# Altium PCB ESP8266_GSM_switch.PcbDoc
Units mm, origin at the board's own origin, x right, y up, seen from the top; angles counter-clockwise.
Board outline 97.31 x 61.65 mm, 2 copper layers (Top Layer, Bottom Layer); 30 components, 23 nets, 82 pads, 24 vias.
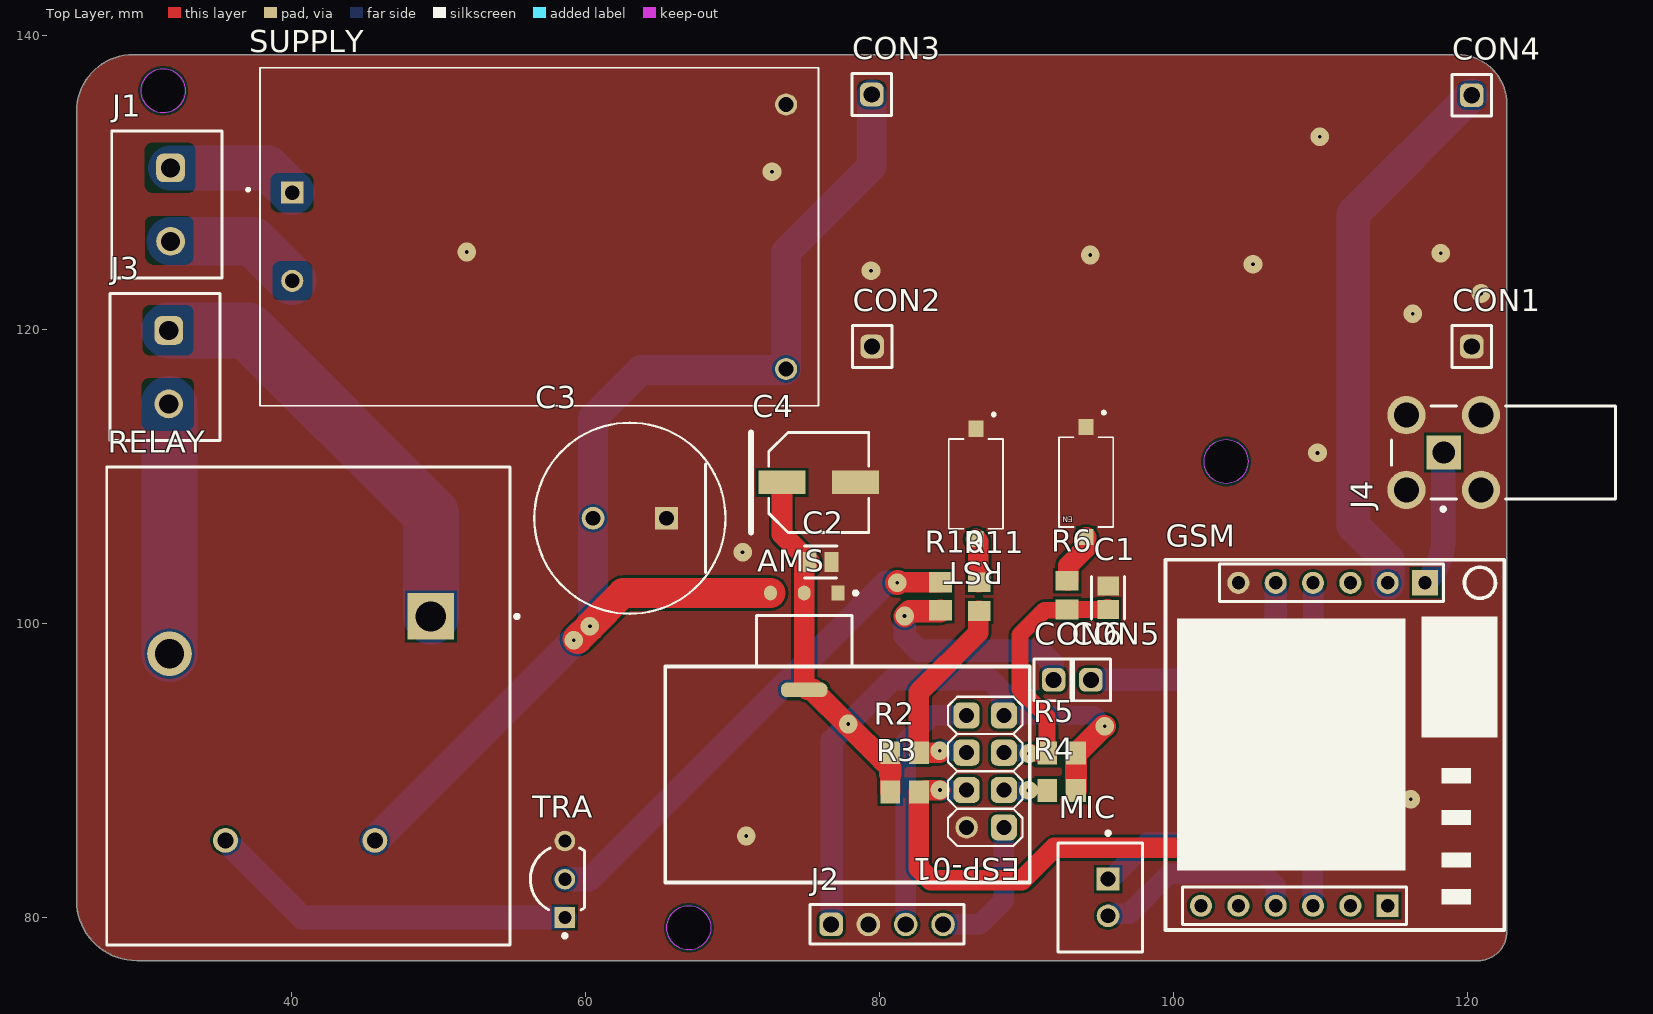
[diagram p0: Top Layer view]
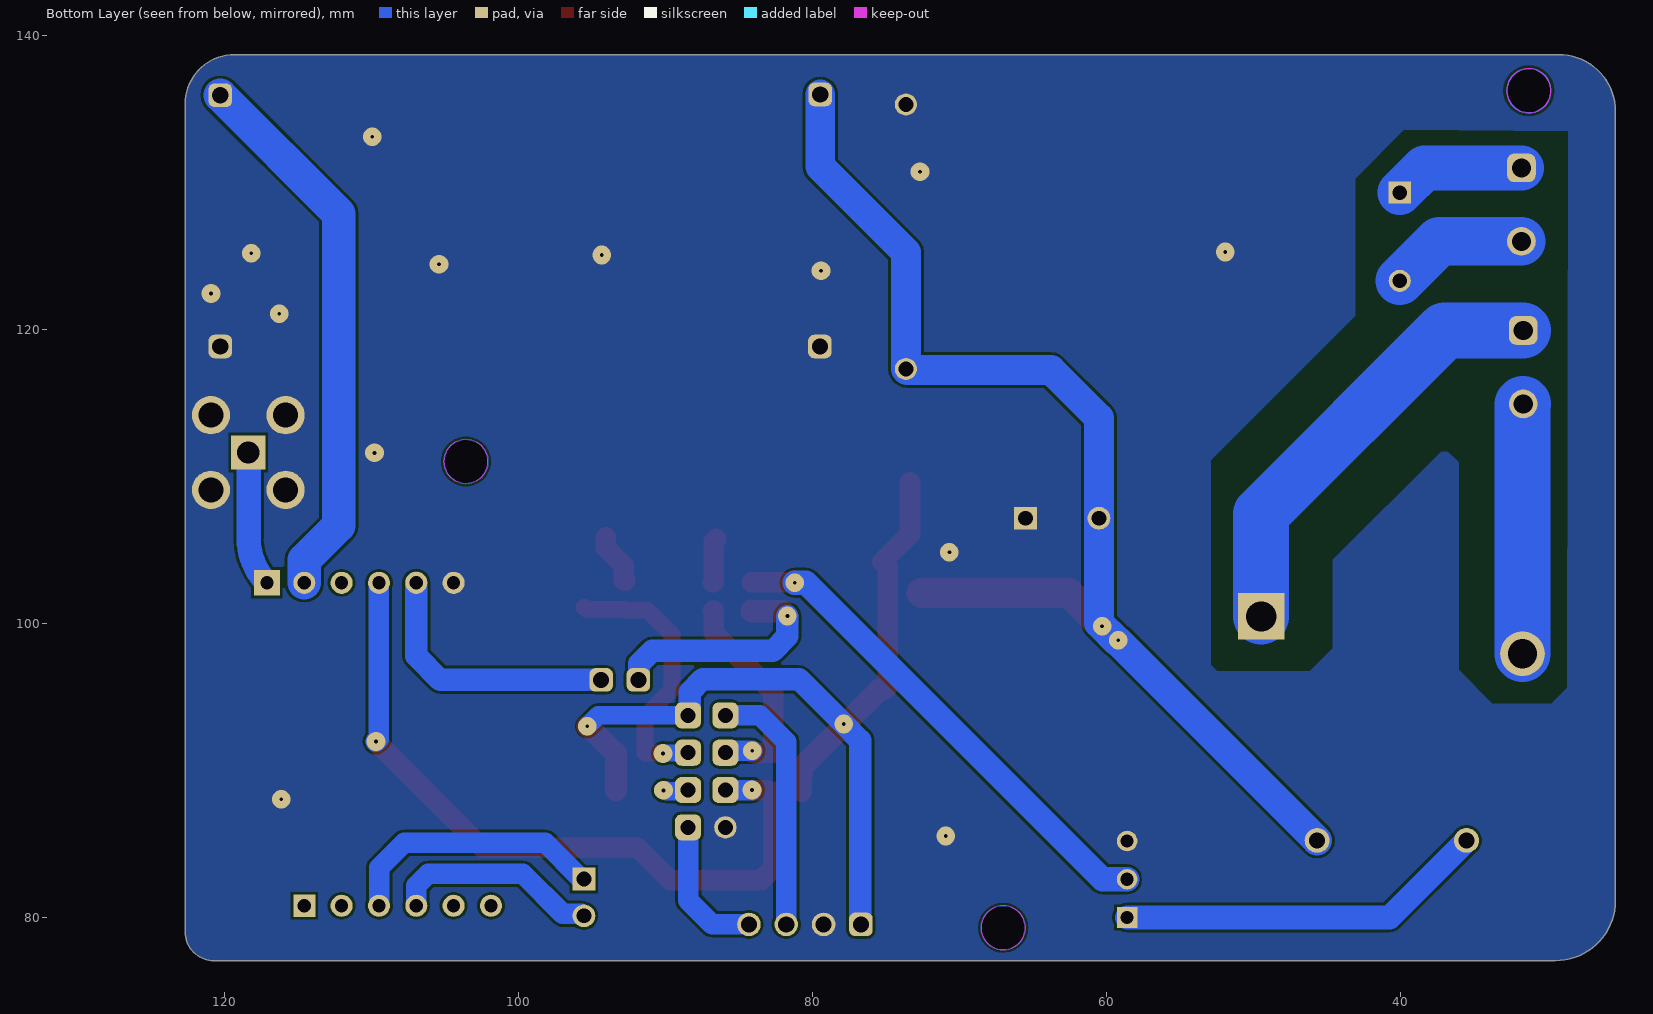
[diagram p1: Bottom Layer view, seen from below]
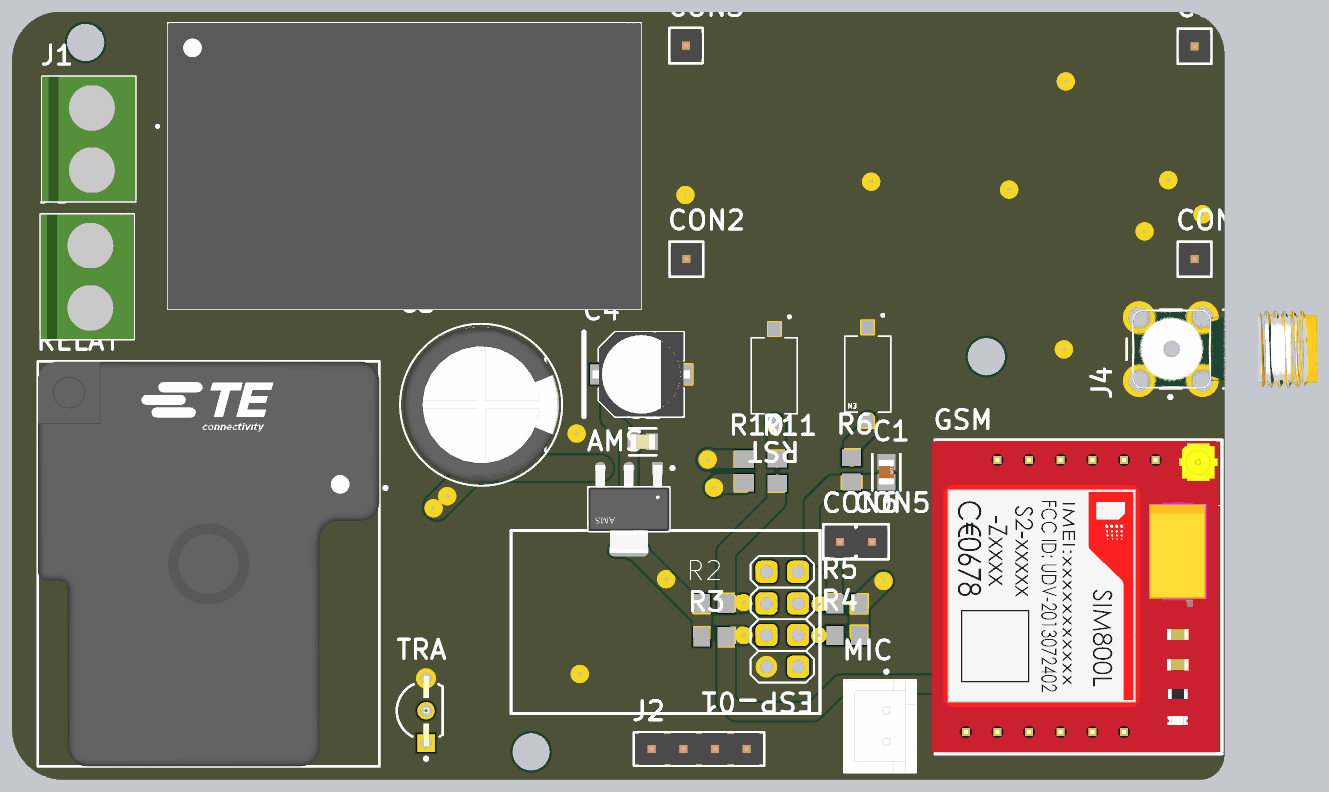
[diagram p2: 3D render of the assembled board from above, using the file's embedded part models]

## Layer stack, top to bottom
Top Solder: solder mask 0.0102, Solder Resist, Dk 3.5
Top Layer: signal copper 0.0356
Dielectric 1: dielectric 0.32, FR-4, Dk 4.8
Bottom Layer: signal copper 0.0356
Bottom Solder: solder mask 0.0102, Solder Resist, Dk 3.5

## Board outline
29.489,77.038 120.752,77.038 ccw(c120.752,78.994) 122.707,78.994 122.707,135.331 ccw(c119.355,135.331) 119.355,138.684 29.261,138.684 ccw(c29.261,134.823) 25.4,134.823 25.4,81.128 ccw(c29.489,81.128)
cut-out: 67.056,77.773 cw(c67.056,79.273) 65.556,79.273 cw(c67.056,79.273) 67.056,80.773 cw(c67.056,79.273) 68.556,79.273 cw(c67.056,79.273)
cut-out: 31.293,134.72 cw(c31.293,136.22) 29.793,136.22 cw(c31.293,136.22) 31.293,137.72 cw(c31.293,136.22) 32.793,136.22 cw(c31.293,136.22)
cut-out: 103.607,109.498 cw(c103.607,110.998) 102.107,110.998 cw(c103.607,110.998) 103.607,112.498 cw(c103.607,110.998) 105.107,110.998 cw(c103.607,110.998)

## Design rules (kind name [scope] priority, off if disabled: settings)
Clearance Clearance_1 [OnMid vs OnMid] p1: gap=0.178 ignorepadtopadclearanceinfootprint=FALSE sourcerule=37 cellrowname=All cellrowtype=0 cellcolname=All cellcoltype=0 innerlayers=TRUE
Clearance Clearance_2 [(ExistsOnLayer('Top Layer') Or ExistsOnLayer('Bottom Layer')) vs (ExistsOnLayer('Top Layer') Or ExistsOnLayer('Bottom Layer'))] p2: gap=0.178 ignorepadtopadclearanceinfootprint=FALSE sourcerule=37 cellrowname=All cellrowtype=0 cellcolname=All cellcoltype=0 outerlayers=TRUE
Clearance [All] p3: gap=0.254 ignorepadtopadclearanceinfootprint=FALSE ismatrix=TRUE
ComponentClearance ComponentClearance_1 [All] p1: gap=0.051 collisioncheckmode=3 verticalgap=0.003 showdistances=TRUE
PolygonConnect [All] p1: connectstyle=Direct reliefconductorwidth=0.254 reliefentries=4 polygonreliefangle="90 Angle" airgapwidth=0.254
RoutingVias [All] p1: holewidth=0.711 width=1.27 viastyle="Through Hole" minholewidth=0.711 minwidth=1.27 maxholewidth=0.711 maxwidth=1.27
SolderMaskExpansion [All] p1: expansion=0.102 istentingtop=FALSE
Width MaxMinWidth_1 [All] p1: maxlimit=5.08 minlimit=0.254 preferedwidth=1.27 minimp=50.000000 maximp=50.000000 favimp=50.000000
Width [All] p2: maxlimit=0.254 minlimit=0.254 preferedwidth=0.254
29 further rules are at their usual default settings.

## Components (designator, comment, footprint, x,y, rotation, side; value= is the part's Value field where it differs from the comment)
AMS "AMS1117-3.3" FP-AMS1117-IPC_C 74.905,98.755 r270 top
C1 "100nF" FP-0805-L_2_01_0_2-W_1_25-IPC_B 95.58,101.727 r90 top
C2 "10uF" FP-C0805C-DG-MFG 76.022,104.165 r0 top
C3 "3300uF" FP-RAD-TH-D_12_5_0_5-L_40-MFG 63.043,107.137 r180 top
C4 "100uF" PNSC-FK-V-D8_V 75.895,109.576 r0 top
CON1 "GNDin" 61300111121 120.32,118.821 r90 top
CON2 "GNDout" 61300111121 79.527,118.821 r90 top
CON3 "5V" 61300111121 79.502,135.966 r90 top
CON4 "4.1V" 61300111121 120.32,135.915 r90 top
CON5 "IO4" 61300111121 94.412,96.139 r90 top
CON6 "IO5" 61300111121 91.872,96.139 r90 top
EN "TS09-63-25-WT-160-SMT-TR" SW_TS09-63-25-WT-160-SMT-TR 94.082,109.601 r270 top
ESP-01 "ESP-01" ESP-01 87.224,89.916 r270 top
GSM "Sim800L" Sim800L 122.25,104.343 r270 top
J1 "AC_IN" 691137710002 31.547,128.473 r270 top
J2 "TTL" 61300411121 80.543,79.502 r0 top
J3 "Relay connector" 691137710002 31.424,117.413 r270 top
J4 "SMA jack" FP-221790-1-MFG 122.479,111.608 r180 top
MIC "Microphone connector" FP-B2B-XH-A_LF_SN-MFG 95.055,81.336 r270 top
R2 "12K" RESC2013X70X40ML20T20 81.737,91.186 r0 top
R3 "12K" RESC2013X70X40ML20T20 81.737,88.519 r0 top
R4 "12K" RESC2013X70X40ML20T20 92.421,88.621 r180 top
R5 "12K" RESC2013X70X40ML20T20 92.421,91.161 r180 top
R6 "470R" RESC2013X70X40ML20T20 92.786,101.905 r270 top
R10 "1K" RESC2013X60X40ML20T25 84.176,101.829 r270 top
R11 "470R" RESC2013X70X40ML20T20 86.817,101.803 r270 top
RELAY "T9AS1D14-24" FP-T9AS1D14-24-MFG 41.17,94.362 r0 top
RST "TS09-63-25-WT-160-SMT-TR" SW_TS09-63-25-WT-160-SMT-TR 86.589,109.474 r270 top
SUPPLY "HLK-5M05" CONV_HLK-5M05 56.874,126.289 r0 top
TRA "BC547" ONSC-TO-92-3-29-11_AM_BL 58.623,82.575 r90 top

## Footprints (in the part's own frame and the unit in brackets; to place one, negate y for a bottom-side part, rotate by r counter-clockwise, add the part's x,y. Pads: shape width x height; smd on the part's side, far side on the other; paste and mask are expansions set on the pad)
61300111121 [mm] "Pin Header, pitch 2.54 mm, THT, Vertical, single row, 1p"
  rrect50% 1.6x1.6 hole 1.1: 1(0,0)
  silkscreen extent -1.42,-1.35 1.42,1.35, body extent -1.27,-1.27 1.27,1.27, height 8.57
61300411121 [mm] "Pin Header, pitch 2.54 mm, THT, Vertical, single row, 4p"
  rrect50% 1.6x1.6 hole 1.1: 1(-3.81,0)
  round 1.6 hole 1.1: 2(-1.27,0) 3(1.27,0) 4(3.81,0)
  silkscreen extent -5.23,-1.35 5.23,1.35, body extent -5.08,-1.27 5.08,1.27, height 8.57
691137710002 [mm] "Horizontal Cable Entry with Pressure Clamp, pitch 5mm, 02p"
  rrect50% 1.95x1.95 hole 1.3: 1(-2.5,0.25)
  round 1.95 hole 1.3: 2(2.5,0.25)
  silkscreen extent -5,-3.75 5,3.75, body extent -5,-3.75 5,3.75, height 11.6
CONV_HLK-5M05 [mm]
  rect 1.5x1.5 / inner round 1.5 / far side rect 1.5x1.5 hole 1: 1(-16.8,3)
  round 1.5 hole 1: 2(-16.8,-3) 3(16.8,9) 4(16.8,-9)
  silkscreen extent -19.9,-11.5 19,11.5, body extent -19,-11.5 19,11.5, height 23
ESP-01 [mil]
  rrect50% 70x70 hole 40: 1(-150,-50) 2(-150,50) 3(-50,-50) 4(-50,50) 5(50,-50) 6(50,50) 8(150,50)
  round 60 hole 40: 7(150,-50)
  silkscreen extent -200,-100 200,100
FP-0805-L_2_01_0_2-W_1_25-IPC_B [mm]
  rect 1.305x1.456 smd paste+0 mask+0: 1(-0.806,0) 2(0.806,0)
  silkscreen extent -1.46,-1.13 1.46,1.13, body extent -1.71,-0.98 1.71,0.98, height 0.25
FP-221790-1-MFG [mil]
  rect 91.5x91.5 hole 60 paste-99999 mask+0: 1(160,0)
  round 102.43 hole 67 paste-99999 mask+0: 2(60,100) 3(260,100) 4(60,-100) 5(260,-100)
  silkscreen extent -300,-125 300,156, body extent -304,-155 315,155, height 10
FP-AMS1117-IPC_C [mm]
  rect 1.004x0.872 smd paste+0 mask+0: 1(-3.295,2.29)
  rrect100% 1.004x0.872 smd paste+0 mask+0: 2(-3.295,0) 3(-3.295,-2.29)
  rrect87% 1.004x3.182 smd paste+0 mask+0: 4(3.295,0)
  silkscreen extent -3.42,-3.25 1.75,3.63, body extent -3.9,-3.35 3.9,3.35, height 0.25
FP-B2B-XH-A_LF_SN-MFG [mm]
  rect 1.55x1.55 hole 1 paste-2539.97 mask+0: 1(-1.25,0.525)
  round 1.55 hole 1 paste-2539.97 mask+0: 2(1.25,0.525)
  silkscreen extent -4.5,-2.88 3.7,2.88, body extent -3.7,-2.88 3.7,2.88, height 7
FP-C0805C-DG-MFG [mm]
  rect 0.95x1.35 smd paste+0 mask+0: 1(-0.75,0) 2(0.75,0)
  silkscreen extent -1.11,-1.08 1.1,1.07, body extent -1.4,-0.85 1.4,0.85, height 0.25
FP-RAD-TH-D_12_5_0_5-L_40-MFG [mm]
  rect 1.55x1.55 hole 1 paste-2539.97 mask+0: 1(-2.5,0)
  round 1.55 hole 1 paste-2539.97 mask+0: 2(2.5,0)
  silkscreen extent -6.5,-6.5 6.5,6.5, body extent -6.6,-6.6 6.6,6.6, height 0.25
FP-T9AS1D14-24-MFG [mm]
  rect 3.16x3.16 hole 2.06 paste-2539.97 mask+0: 1(8.335,6.095)
  round 3.03 hole 1.98 paste-2539.97 mask+0: 2(-9.445,3.555)
  round 1.69 hole 1.09 paste-2539.97 mask+0: 3(-5.635,-9.145) 4(4.525,-9.145)
  silkscreen extent -13.71,-16.25 14.32,16.25, body extent -13.81,-16.35 13.81,16.35, height 0.25
ONSC-TO-92-3-29-11_AM_BL [mm] "TO, 3-Leads, Body Dia 4.7mm, Pitch 2.6mm"
  rect 1.4x1.4 hole 0.9: 1(-2.6,0)
  round 1.4 hole 0.9: 2(0,0) 3(2.6,0)
  silkscreen extent -3.97,-1.34 2.13,2.35, body extent -2.84,-1.34 2.84,2.35, height 5.33
PNSC-FK-V-D8_V [mm] "CAPAE, 2-Leads, Body 6.80x6.80mm"
  rect 3.2x1.6 smd: 1(-2.5,0) 2(2.5,0)
  silkscreen extent -4.6,-3.4 3.4,3.4, body extent -3.9,-3.4 3.9,3.4, height 8
RESC2013X60X40ML20T25 [mm] "Chip Resistor, 2-Leads, Body 2.00x1.25mm, IPC Low Density"
  rect 1.4x1.55 smd: 1(-0.95,0) 2(0.95,0)
  body extent -1.1,-0.72 1.1,0.72, height 0.6
RESC2013X70X40ML20T20 [mm] "Chip Resistor, 2-Leads, Body 2.00x1.25mm, IPC Low Density"
  rect 1.35x1.55 smd: 1(-0.975,0) 2(0.975,0)
  body extent -1.1,-0.72 1.1,0.72, height 0.7
Sim800L [mm]
  rect 1.754x1.754 hole 0.9: 1(1.6,-5.105)
  round 1.5 hole 0.9: 2(1.6,-7.645) 3(1.6,-10.185) 4(1.6,-12.725) 5(1.6,-15.265) 6(1.6,-17.805) 8(23.571,-10.185) 9(23.571,-12.725) 10(23.571,-15.265) 11(23.571,-17.805) 12(23.571,-20.345)
  rect 1.5x1.5 hole 0.9: 7(23.571,-7.645)
  silkscreen extent 0.03,-22.76 25.22,0.28, body extent 0.12,-23 25.12,0.14, height 10.1
SW_TS09-63-25-WT-160-SMT-TR [mm]
  rect 1.1x1 smd: 1(-3.75,0) 2(3.75,0)
  silkscreen extent -4.82,-1.85 3.05,1.85

## Part data
AMS: library part CMP-209535-000001-1, "LDO Voltage Regulators 1A, 3.3V", Dropout Voltage=1.1V, Manufacturer="Advanced Monolithic Systems", Max Junction Temp=+125°C, Max Power Dissipation=1.2W, Max Supply Voltage=15V, Nominal Supply Current=5mA, Output Current=1A, Output Voltage=3.3V, Package=AMS1117, Temperature="-40°C to +125°C", Temperature Range Low=-40°C, Automotive=No, Category=IC, ComponentLink2Description=Datasheet, ComponentLink2URL=http://www.advanced-monolithic.com/pdf/ds1117.pdf, Device Class L1="Integrated Circuits (ICs)", Device Class L2="Power Management ICs", Device Class L3="Voltage Regulators - Linear", Height=1.8mm, Ipc Land Pattern Name=SOT229P700X180-4, Lead Free=Yes, Manufacturer Part Number=AMS1117-3.3, Number Of Outputs=1, Octopart=https://octopart.com/ams1117-3.3-advanced+monolithic+systems-25899300, Output Type=Fixed, RoHS=TRUE, Standoff Height=0.64mm, Temperature Range High=+125°C
C1: library part CMP-2007-04174-2, "General Purpose Ceramic Capacitor, 0805, 100nF, 10%, X7R, 15%, 100V", Case Code (Imperial)=0805, Case Code (Metric)=2012, Dielectric=X7R, Dielectric Material=Ceramic, Max Operating Temperature=125°C, Min Operating Temperature=-55°C, Package Quantity=2000, Tolerance=10%, Voltage=100V, Capacitance=100nF, Case/Package=0805, Construction=Flat, Contact Plating=Tin, Depth=1.25mm, Height=1.4mm, Lead Free="Lead Free", Length=2.01mm, Mount="Surface Mount", Number of Pins=2, Packaging="Tape and Reel", Radiation Hardening=No, REACH SVHC="No SVHC", RoHS Compliant=Yes, Series=-, Termination=SMD/SMT, Thickness=0.055inch, Voltage Rating=100V, Voltage Rating (DC)=100V, Width=0.049inch
C2: library part CMP-2007-03243-2, "CAP CER 10UF 10V X5R 0805", 3DS Part Number=220-00001, Manufacturer=Kemet, Manufacturer Part Number=C0805C106K8PACTU, Package=C0805C-DG, Temperature="-55°C to +85°C", Temperature Characteristic=X5R, Temperature Coefficient=15%, Temperature Range High=+85°C, Temperature Range Low=-55°C, Tolerance=10%, Voltage=10V, Automotive=No, Capacitance=10uF, Category=Cap, ComponentLink2Description=Datasheet, ComponentLink2URL=https://content.kemet.com/datasheets/KEM_C1006_X5R_SMD.pdf, Device Class L1="Passive Components", Device Class L2=Capacitors, Device Class L3="Ceramic Capacitors", Digikey Description="CAP CER 10UF 10V X5R 0805", Height=1.4mm, Ipc Land Pattern Name=CAPC200125X125, Lead Free=Yes, Material=Ceramic, Mouser Description="CAP CER 10UF 10V X5R 0805", Octopart=https://octopart.com/c0805c106k8pactu-kemet-98697, RoHS=TRUE, Voltage Rating=10V
C3: library part CMP-05427-001733-1, "Aluminum Electrolytic Capacitors (Radial Lead Type) AEC-Q200 Qualified 3300uF ±20% 25V", Capacitance=3.3mF, Case/Package=Radial, Dielectric Material=Aluminium, Max Operating Temperature=105°C, Min Operating Temperature=-55°C, Package Quantity=100, Ripple Current=3.01A, Tolerance=20%, Voltage=25V, Construction=RADIAL, Contact Plating=Tin, Diameter=12.5mm, Height=40mm, Impedance=14mR, Lead Diameter=0.8mm, Lead Pitch=5mm, Life (Hours)=5000Hour, Mount="Through Hole", Number of Pins=2, Packaging=Bulk, Radiation Hardening=No, REACH SVHC="No SVHC", RoHS Compliant=Yes, Series=FK, Termination=Radial, Voltage Rating=25V, Voltage Rating (DC)=25V
C4: library part CMP-2000-06206-1, "Aluminum Electrolytic Capacitor, 100 uF, +/- 20%, 25 V, 2-Pin SMD (Size Code D8), -55 to 105 degC, RoHS, Tape and Reel", Capacitance=100µF, Case Size/Dimension=Ø6.3x7.7mm, Lifetime@Temperature=2000Hrs@105°C, Manufacturer=Panasonic, Operating Temp Range=-55to+105°C, Operating Temp-Max=105°C, Package Description="2-Pin Electrolytic Aluminum Capacitor, Body 6.6 x 6.6 mm", Package Reference=FK-V-D8, Rated Voltage=25V, Ripple Current=280mA, Datasheet URL=http://industrial.panasonic.com/cdbs/www-data/pdf/RDE0000/ABA0000C1181.pdf, Datasheet Version=03/2016, Impedance=0.34O, Manufacturer URL=http://www.panasonic.com/, Mounting Technology=SurfaceMount, Package URL=http://industrial.panasonic.com/cdbs/www-data/pdf/RDE0000/DME0000COL48.pdf, Series=FK, Type=Can
CON1 CON2 CON3 CON4 CON5 CON6: library part CMP-1502-01058-2, Color=Black, Contact Resistance=20mΩ, Current Rating=3A, Operating Supply Voltage=250V, Connector Type="Male Pin", Contact Material=Copper, Contact Mating Length=5.9944mm, Contact Plating=Gold, Gender=Male, Lead Pitch=2.54mm, Mount="Through Hole", NexarPartId=32855518, Number of contacts=1, Number of Pins=1, Number of Positions=1, Number of Rows=1, Orientation=Vertical, Packaging=Bulk, REACH SVHC=Unknown, RoHS=Compliant, Termination=Solder
EN RST: Package=None, Availability=Unavailable, MP=TS09-63-25-WT-160-SMT-TR, Price=None
ESP-01: "ESP8266 ESP-01 Transceiver; 802.11 b/g/n (Wi-Fi, WiFi, WLAN) Evaluation Board", Package=Package, Availability="In Stock", Check_prices=https://www.snapeda.com/parts/ESP-01/AI-Thinker/view-part/5164489/?ref=eda, MF=AI-Thinker, MP=ESP-01, Price=None, Purchase-URL=https://pricing.snapeda.com/search/part/ESP-01/?ref=eda, SnapEDA_Link=https://www.snapeda.com/parts/ESP-01/AI-Thinker/view-part/5164489/?ref=snap
J1 J3: library part CMP-1502-03324-2, Current Rating=16A, Max Operating Temperature=120°C, Min Operating Temperature=-30°C, Voltage Rating=300V, Contact Material="Nickel, Tin", Height=11.6mm, Lead Pitch=5mm, NexarPartId=78871135, Number of contacts=2, Number of Pins=2, Number of Rows=1, Packaging=Box, RoHS=Non-Compliant
J2: library part CMP-1502-01064-2, Color=Black, Contact Resistance=20mΩ, Current Rating=3A, Max Operating Temperature=105°C, Min Operating Temperature=-40°C, Operating Supply Voltage=250V, Connector Type="Male Pin", Contact Material=Copper, Contact Mating Length=5.9944mm, Contact Plating=Gold, Gender=Male, Height=8.89mm, Lead Free="Lead Free", Lead Pitch=2.54mm, Mount="Through Hole", NexarPartId=32855522, Number of contacts=4, Number of Pins=4, Number of Positions=4, Number of Rows=1, Orientation=Vertical, Packaging=Bulk, Pitch=2.54mm, REACH SVHC=Unknown, RoHS=Compliant, Termination=Solder, Voltage Rating=250V
J4: library part CMP-05166-000001-1, "CONN SMA JACK R/A 50 OHM PCB", Dielectric Material=Fluoropolymer, Frequency=4GHz, Manufacturer="TE Connectivity / AMP", Manufacturer Part Number=221790-1, Package=0, Temperature="-65°C to +165°C", Temperature Range High=+165°C, Temperature Range Low=-65°C, Voltage Rating=335V, Automotive=No, Category=Conn, ComponentLink2Description=Datasheet, ComponentLink2URL=https://www.te.com/commerce/DocumentDelivery/DDEController?Action=showdoc&DocId=Customer+Drawing%7F221790%7FB1%7Fpdf%7FEnglish%7FENG_CD_221790_B1.pdf%7F221790-1, Conn Orientation="Right Angle", Contact Material=Gold, Device Class L1=Connectors, Device Class L2="RF / Coaxial Connectors", Device Class L3=unset, Digikey Description="CONN SMA JACK R/A 50 OHM PCB", Height=0.38inch, Impedance=50Ω, Is Female=yes, Lead Free=Yes, Mouser Description="RF Connectors / Coaxial Connectors PCB RIGHT ANGLE JACK", Number of contacts=1, Octopart=https://octopart.com/2217901-te+connectivity+%2F+amp-3339836, RoHS=TRUE, Shielding=true
MIC: library part CMP-2000-05888-3, "CONN HEADER VERT 2POS 2.5MM", Color=Natural, Contact Resistance=20mR, Current Rating=3A, Housing Color=White, Insulation Resistance=1GR, Max Operating Temperature=85°C, Max Voltage Rating (AC)=250V, Min Operating Temperature=-25°C, Connector Type="Male Pin", Contact Material=Brass, Contact Plating=Tin, Contact Type="Male Pin", Depth=5.75mm, Fastening Type=Detent, Housing Material=Polyamide, Lead Free="Lead Free", Lead Pitch=2.5mm, Length=7.4mm, Max Current Rating=3A, Max Voltage Rating (DC)=250V, Mount="Through Hole", Number of contacts=2, Number of Positions=2, Number of Rows=1, Orientation=Straight, Packaging=Bulk, Pitch=2.5mm, REACH SVHC="No SVHC", Series=XH, Termination=Solder, Voltage Rating=250V, Voltage Rating (AC)=250V, Wire/Cable Gauge=22AWG
R2 R3 R4 R5: library part CMP-2001-00513-1, Manufacturer=Panasonic, Part Number=ERJ6ENF1202V
R6 R11: library part CMP-2001-00549-5, "Chip Resistor, 470 Ohm, +/- 1%, 0.125 W, -55 to 155 degC, 0805 (2012 Metric), RoHS, Tape and Reel", Manufacturer=Panasonic, Max Operating Temperature="155 degC", Min Operating Temperature="-55 degC", Package Quantity=1, Voltage Rating="150 V", ComponentLink1Description="Manufacturer URL", ComponentLink1URL=http://www.panasonic.com/, ComponentLink2Description=Datasheet, ComponentLink2URL=http://industrial.panasonic.com/cdbs/www-data/pdf/RDA0000/AOA0000C86.pdf, DatasheetVersion=04/2015, Height="0.6 mm", Length="2 mm", Mount="Surface Mount", Mounting Technology="Surface Mount", PackageDescription="2-Pin Surface Mount Device, Body 2 x 1.25 mm", PackageReference=0805, Packaging="Cut Tape", Pins=2, REACH SVHC=Yes, RoHSCompliant=true
R10: library part CMP-2001-00590-1, Manufacturer=Panasonic, Part Number=ERA6AEB123V
RELAY: library part CMP-03395-000263-1, "RELAY GEN PURPOSE SPST 30A 24V", Coil Current=42mA, Coil Power=1W, Coil Resistance=576R, Coil Voltage (DC)=24V, Contact Current Rating=30A, Contact Voltage Rating (AC)=277V, Insulation Resistance=1GR, Coil Type=Non-Latching, Contact Material=Tin, ELV=Compliant, Height=20.4mm, Length=32.5mm, Packaging=Tray, REACH SVHC="No SVHC", RoHS Compliant=Yes, Termination=PCB, Throw Configuration=SPST, Weight=0.918oz, Width=27.4mm
SUPPLY: "AC DC 220V to 5V 5W 5Watt Isolated Switching Step-Down Power Supply Module Converter", Package=Package, Availability="Not in stock", Check_prices=https://www.snapeda.com/parts/HLK-5M05/Hi-link/view-part/?ref=eda, MF=Hi-link, MP=HLK-5M05, Price=None, SnapEDA_Link=https://www.snapeda.com/parts/HLK-5M05/Hi-link/view-part/?ref=snap
TRA: library part CMP-1048-01605-1, "Amplifier Transistor, NPN Silicon, 3-Pin TO-92, Pb-Free, Tape and Reel", Manufacturer="On Semiconductor", PartNumber=BC547BRL1G, ComponentLink1Description="Manufacturer URL", ComponentLink1URL=http://www.onsemi.com/, ComponentLink2Description=Datasheet, ComponentLink2URL=http://www.onsemi.com/pub_link/Collateral/BC546-D.PDF, ComponentLink3Description="Package Specification", ComponentLink3URL=http://www.onsemi.com/pub_link/Collateral/MAC97-D.PDF, DatasheetVersion="Rev. 7", fT Min (MHz)=150, IC Continuous (A)=0.1, Mounting Technology="Through Hole", PackageDescription="3-Pin Transistor Outline, Body 4.825 x 3.685 mm, Pitch 1.27 mm", PackageReference=TO-92-3-29-11_AM_BL, PackageVersion="Rev. AM", Packing="Tape and Reel", Polarity=NPN, RoHS=TRUE

## Via types
v1: diameter 1.27, hole 0.254, Top Layer to Bottom Layer, 24 vias

## Nets (pads, with @x,y where several pads share a name; then routed paths per layer and width w, separated by ;. In a path a pad name is that pad's centre, name@x,y a point inside that pad or via, vN(x,y) a via of type N, cw(c..) or ccw(c..) an arc to the next point about the centre after c; other vN are vias at no path point)
+4.1: CON4.1 GSM.2 | length 37.5
  Bottom Layer w2.286: GSM.2 114.605,104.292 112.268,106.629 112.268,127.864 CON4.1
+5: AMS.3 C3.2 CON3.1 RELAY.4 SUPPLY.4 | length 85
  Top Layer w2.032: v1@59.487,98.933 60.325,99.771 v1(60.325,99.797) 62.579,102.05 AMS.3
  Bottom Layer w2.032: RELAY.4 59.271,98.793 59.322,98.793 60.543,100.014 60.543,113.959 63.805,117.221 73.606,117.221 SUPPLY.4 73.674,125.236 79.502,131.064 CON3.1
  other v1: 59.233,98.831
Antenna: GSM.1 J4.1 | length 9.2
  Bottom Layer w1.397: J4.1@118.389,111.546 cw(c118.476,111.546) J4.1
  Bottom Layer w1.651: GSM.1 ccw(c114.14,105.748) 118.389,105.748 J4.1@118.389,111.546
EN: ESP-01.6 R4.2 | length 1.7
  Bottom Layer w1.27: ESP-01.6 88.57,88.57 89.967,88.57 90.018,88.621 v1(90.17,88.621)
GND: AMS.1 C1.2 C2.2 C3.1 C4.2 CON1.1 CON2.1 EN.1 ESP-01.7 GSM.6 J2.2 J4.2 J4.3 J4.4 J4.5 RST.1 SUPPLY.3 TRA.3
  other v1: 70.968,85.522 116.18,88.011 70.714,104.826 109.83,111.582 116.307,121.056 120.955,122.428 79.451,123.977 105.435,124.409 94.361,125.044 118.212,125.171 51.943,125.247 72.72,130.708 109.982,133.096
GSM_RX: ESP-01.5 GSM.4 R3.2 | length 50.2
  Top Layer w1.397: R3.2 82.712,83.318 83.531,82.499 89.713,82.499 91.923,84.709 102.489,84.709 v1(109.728,91.948) ; R3.2@83.101,88.622 v1@84.15,88.622
  Bottom Layer w1.397: v1(84.15,88.646) ESP-01.5 ; GSM.4 109.525,92.151 v1(109.728,91.948)
GSM_TX: CON5.1 GSM.5 | length 18.1
  Bottom Layer w1.524: CON5.1@94.539,96.139 105.359,96.139 106.985,97.765 GSM.5
IO0: ESP-01.3 R2.2 R11.2 | length 14.7
  Top Layer w1.397: v1@84.125,91.186 R2.2 82.712,95.311 86.741,99.339 86.741,100.805 86.764,100.828 R11.2
  Bottom Layer w1.397: v1(84.125,91.313) 85.827,91.313 ESP-01.3
MIC+: GSM.9 MIC.1 | length 18.2
  Bottom Layer w1.397: MIC.1@95.657,82.611 95.657,82.663 95.82,82.663 98.222,85.065 107.798,85.065 109.505,83.357 109.505,80.82 GSM.9@109.525,80.8
MIC-: GSM.10 MIC.2 | length 14.4
  Bottom Layer w1.397: MIC.2@95.51,80.115 95.651,80.115 95.749,80.213 97.003,80.213 99.746,82.956 106.166,82.956 106.985,82.138 GSM.10
NetEN_2: EN.2 R6.1 | length 3.5
  Top Layer w1.397: R6.1 92.839,102.88 92.863,102.903 92.863,103.912 94.082,105.131 EN.2
NetR10_1: R10.1 TRA.2 | length 33.9
  Top Layer w1.397: v1@81.265,102.779 R10.1
  Top Layer w1.651: v1(81.229,102.743) v1@81.265,102.779
  Bottom Layer w1.651: TRA.2 60.3,82.575 80.467,102.743 v1(81.229,102.743)
NetR11_1: R11.1 RST.2 | length 3.1
  Top Layer w1.397: RST.2 86.741,105.572 86.741,102.802 86.764,102.778 R11.1
NetRELAY_3: RELAY.3 TRA.1 | length 25.3
  Bottom Layer w1.651: RELAY.3 40.776,79.975 TRA.1
Neutral: J1.2 SUPPLY.2 | length 9.4
  Bottom Layer w3.302: J1.2 37.389,125.973 SUPPLY.2
Phase: J1.1 SUPPLY.1 | length 9
  Bottom Layer w3.048: J1.1 38.389,130.973 SUPPLY.1
REL1: J3.1 RELAY.1 | length 30
  Bottom Layer w3.81: J3.1 37.033,119.913 49.505,107.442 RELAY.1
REL2: J3.2 RELAY.2 | length 17
  Bottom Layer w3.81: J3.2 31.725,114.863 RELAY.2
RELAY: CON6.1 R10.2 | length 15.9
  Top Layer w1.524: v1(81.737,100.482) 82.071,100.817 84.163,100.817 R10.2@84.176,100.83
  Bottom Layer w1.524: v1(81.737,100.482) 81.737,99.111 82.728,98.12 90.941,98.12 91.834,97.227 91.834,96.177 CON6.1
RST: C1.1 ESP-01.4 R5.2 R6.2 | length 18.5
  Top Layer w1.143: v1@90.195,91.173 91.433,91.173 91.433,93.65 89.586,95.497 89.586,99.212 91.25,100.877 92.733,100.877 R6.2 95.361,100.93 95.504,101.074 C1.1@95.58,101.074
  Bottom Layer w1.143: ESP-01.4 88.52,91.159 90.171,91.159 v1(90.195,91.135)
RXD: ESP-01.1 J2.3 | length 17.3
  Bottom Layer w1.397: J2.3 81.813,91.923 83.617,93.726 ESP-01.1
TXD: ESP-01.8 J2.4 | length 9.8
  Bottom Layer w1.397: J2.4 86.843,79.502 88.494,81.153 ESP-01.8
VCC: AMS.2 AMS.4 C2.1 C4.1 ESP-01.2 J2.1 R2.1 R3.1 R4.1 R5.1 | length 64.9
  Top Layer w1.397: C4.1 73.395,106.042 C2.1 74.905,103.798 74.905,95.657 75.101,95.46 AMS.4@75.474,95.46 ; R3.1 80.762,89.738
  Top Layer w1.524: AMS.4@75.474,95.46 77.847,93.087 80.255,90.679 80.762,90.172 80.762,89.738 ; R4.1 R5.1 93.47,91.161 95.299,92.989 v1(95.352,92.989)
  Bottom Layer w1.27: ESP-01.2 94.615,93.726 v1(95.352,92.989)
  Bottom Layer w1.524: J2.1 76.733,79.68 76.784,79.731 76.784,92.024 v1(77.902,93.142) 80.95,96.19 87.499,96.19 88.392,95.297 88.392,93.828 ESP-01.2
pads on no net: GSM.3 GSM.7 GSM.8 GSM.11 GSM.12
copper on no net: | length 28.3
  Bottom Layer w0.013: 68.556,79.273 ccw(c67.056,79.273) 68.556,79.273 ; 105.107,110.998 ccw(c103.607,110.998) 105.107,110.998
  Bottom Layer w0.1: 32.793,136.22 ccw(c31.293,136.22) 32.793,136.22

## Polygon pours and split planes (outlines as drawn)
GND on Top Layer "GND_L01_P000" (solid, pour order 0): 29.489,77.038 120.752,77.038 ccw(c120.752,78.994) 122.707,78.994 122.707,135.331 ccw(c119.355,135.331) 119.355,138.684 29.261,138.684 ccw(c29.261,134.823) 25.4,134.823 25.4,81.128 ccw(c29.489,81.128)
GND on Bottom Layer "GND_L02_P001" (solid, pour order 1): 29.489,77.038 120.752,77.038 ccw(c120.752,78.994) 122.707,78.994 122.707,135.331 ccw(c119.355,135.331) 119.355,138.684 29.261,138.684 ccw(c29.261,134.823) 25.4,134.823 25.4,81.128 ccw(c29.489,81.128)

## Other copper
Top Layer:
  pour cut-out: 30.353,116.662 32.868,116.662 cw(c32.868,116.154) 33.376,116.154 33.376,113.64 cw(c32.842,113.64) 32.842,113.106 30.353,113.106 cw(c30.353,113.614) 29.845,113.614 29.845,116.154 cw(c30.353,116.154)
  pour cut-out: 41.427,124.104 41.427,122.504 cw(c40.894,122.504) 40.894,121.971 39.243,121.971 cw(c39.243,122.479) 38.735,122.479 38.735,124.104 cw(c39.243,124.104) 39.243,124.612 40.919,124.612 cw(c40.919,124.104)
  pour cut-out: 33.477,132.156 33.477,129.794 cw(c32.969,129.794) 32.969,129.286 30.556,129.286 cw(c30.556,129.794) 30.048,129.794 30.048,132.156 cw(c30.582,132.156) 30.582,132.69 32.944,132.69 cw(c32.944,132.156)
  pour cut-out: 33.35,121.133 33.35,118.72 cw(c32.868,118.72) 32.868,118.237 30.378,118.237 cw(c30.378,118.72) 29.896,118.72 29.896,121.107 cw(c30.429,121.107) 30.429,121.641 32.842,121.641 cw(c32.842,121.133)
  pour cut-out: 41.504,130.073 41.504,128.473 cw(c40.996,128.473) 40.996,127.965 39.141,127.965 cw(c39.141,128.499) 38.608,128.499 38.608,130.099 cw(c39.116,130.099) 39.116,130.607 40.97,130.607 cw(c40.97,130.073)
  pour cut-out: 33.35,127.21 33.35,124.968 cw(c32.766,124.968) 32.766,124.384 30.709,124.384 cw(c30.709,125.019) 30.074,125.019 30.074,127.178 cw(c30.582,127.178) 30.582,127.686 32.874,127.686 cw(c32.874,127.21)
Bottom Layer:
  pour cut-out: 103.607,109.498 cw(c103.607,110.998) 102.107,110.998 cw(c103.607,110.998) 103.607,112.498 cw(c103.607,110.998) 105.107,110.998 cw(c103.607,110.998)
  pour cut-out: 28.651,133.452 39.753,133.551 43.078,130.226 43.078,120.904 52.908,111.074 52.908,97.18 52.476,96.749 46.203,96.749 44.653,98.298 44.653,104.318 37.262,111.709 36.805,111.709 36.043,110.947 36.043,96.825 33.782,94.564 29.769,94.564 28.727,95.606

## Silkscreen, mask and mechanical layers (free items; w line width, h text height)
Top Overlay:
  lines w0.254: 65.456,82.347 90.256,82.347 90.256,97.047 65.456,97.047 65.456,82.347